# Altium PCB choco_keyboard_right.PcbDoc (part 1 of 2) (continued)
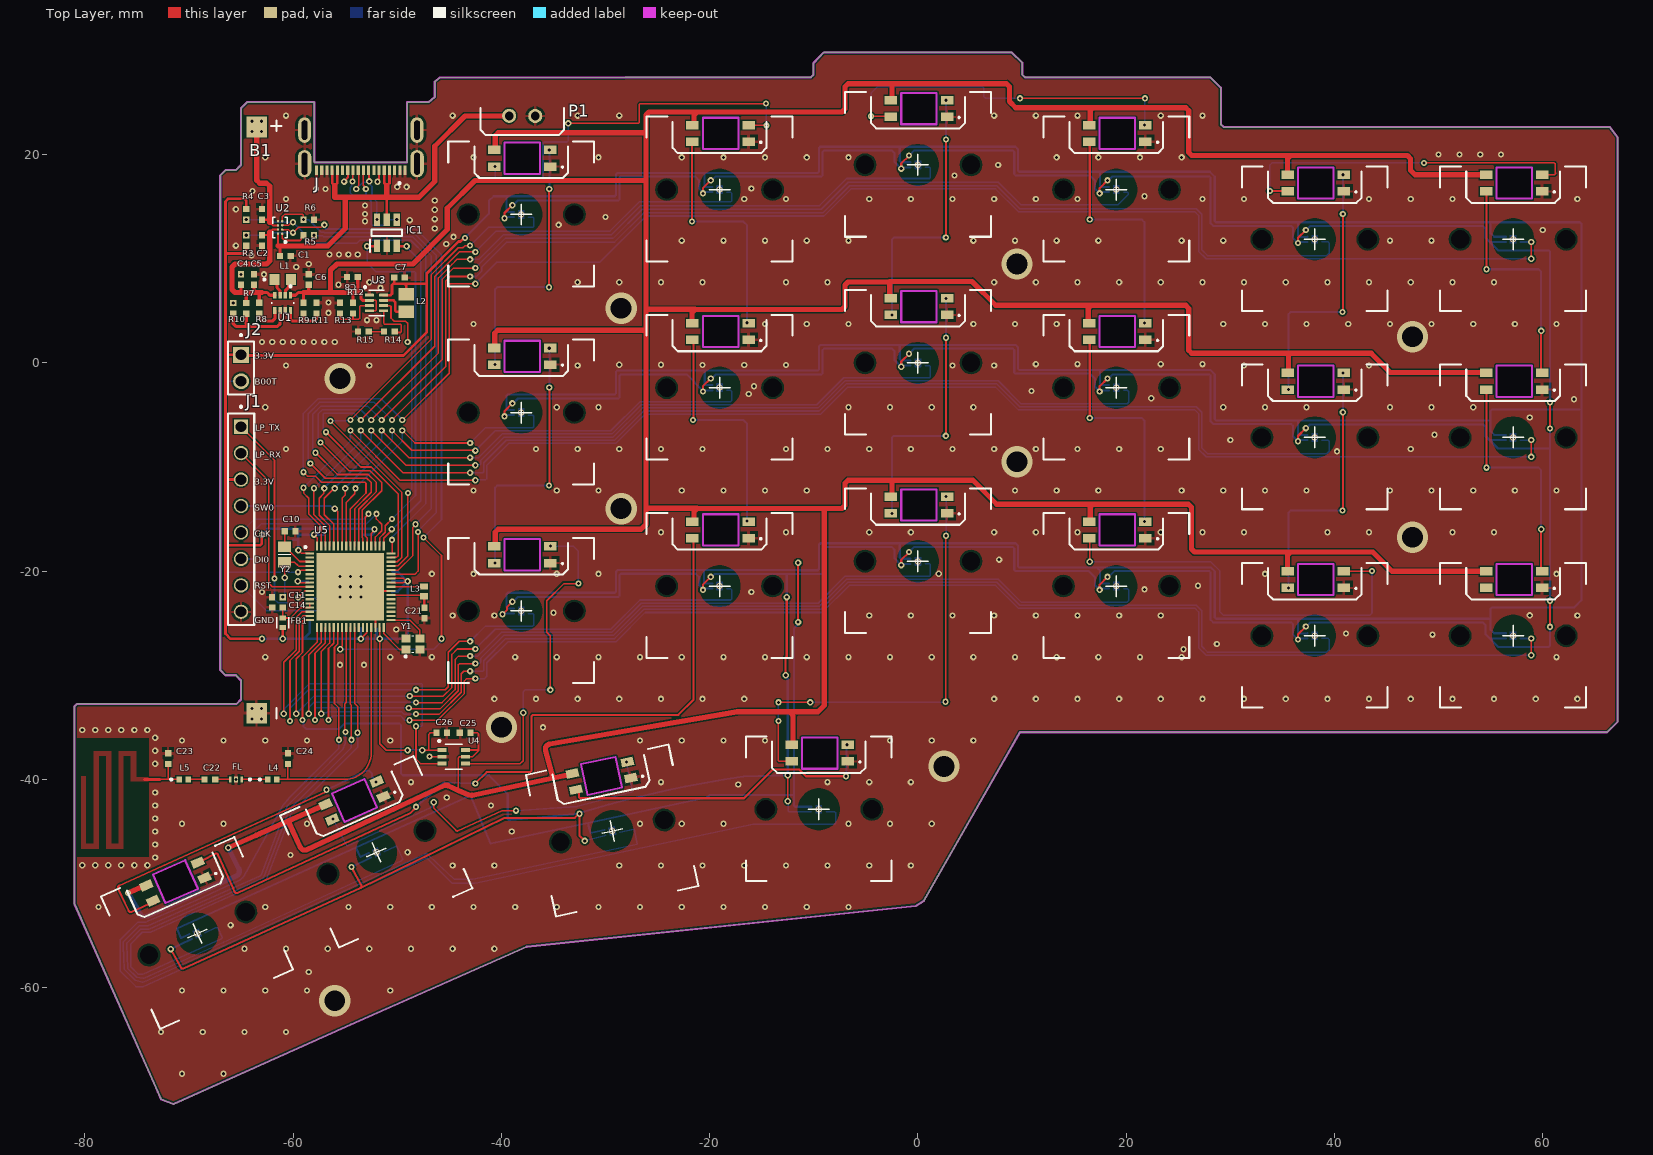
[diagram p0: Top Layer view]
## Footprints (in the part's own frame and the unit in brackets; to place one, negate y for a bottom-side part, rotate by r counter-clockwise, add the part's x,y. Pads: shape width x height; smd on the part's side, far side on the other; paste and mask are expansions set on the pad) (continued)
SWITCH [mm]
  rect 1.2x0.82 smd: 1(-2.8,-4.6) 2(-2.8,-6.2) 3(2.6,-6.2) 4(2.6,-4.6)
  round 1.524 hole 1.75 unplated: 5(-5.1,0) 5(5.08,0)
  Top Layer pour cut-out: 0,2 0.765,1.848 1.414,1.414 1.848,0.765 2,0 2,0 1.848,-0.765 1.414,-1.414 0.765,-1.848 0,-2 0,-2 -0.765,-1.848 -1.414,-1.414 -1.848,-0.765 -2,0 -2,0 -1.848,0.765 -1.414,1.414 -0.765,1.848 0,2
  Keep-Out Layer board cut-out: 1.6,-3.9 1.6,-6.9 -1.8,-6.9 -1.8,-3.9
  Keep-Out Layer lines w0.2: 1.6,-3.9 1.6,-6.9 -1.8,-6.9 -1.8,-3.9 1.6,-3.9
  silkscreen extent -7,-7 7,6.9, body extent -7.55,-8.05 7.55,8.05, height 15.27
TXU0101DCKR [mil]
  rect 33.5x14 smd paste+0 mask+0: 1(-44.25,25.59) 2(-44.25,0) 3(-44.25,-25.59) 4(44.25,-25.59) 5(44.25,0) 6(44.25,25.59)
  silkscreen extent -59,-48 32,64, body extent -47,-43 47,43, height 43

## Part data
B1: "li-ion 14500 battery holder", BOM_Group="Power Connectors"
C1 C3: library part Cap_1uF_0402, Package="0402 Murata", BOM_Group="Battery managment", Check_prices=https://www.snapeda.com/parts/GRM022R60J222KE19L/Murata/view-part/?ref=eda, MF=Murata, MP=GRM022R60J222KE19L, SnapEDA_Link=https://www.snapeda.com/parts/GRM022R60J222KE19L/Murata/view-part/?ref=snap
C2 C7: library part Cap_10uF_0402, Package="0402 Murata", MF=Murata, MP=GRM022R60J222KE19L, SnapEDA_Link=https://www.snapeda.com/parts/GRM022R60J222KE19L/Murata/view-part/?ref=snap
  C2: BOM_Group="Battery managment", Check_prices=https://www.snapeda.com/parts/GRM022R60J222KE19L/Murata/view-part/?ref=eda
  C7: BOM_Group="Buck 3.3V Converter"
C4 C5 C6: library part Cap_22uF_0402, Package="0402 Murata", BOM_Group="Buck/Boost Converter to 5V", Check_prices=https://www.snapeda.com/parts/GRM022R60J222KE19L/Murata/view-part/?ref=eda, MF=Murata, MP=GRM022R60J222KE19L, SnapEDA_Link=https://www.snapeda.com/parts/GRM022R60J222KE19L/Murata/view-part/?ref=snap
C8 C19 C21: library part Cap_4.7uF_0402, Package="0402 Murata", MF=Murata, MP=GRM022R60J222KE19L, SnapEDA_Link=https://www.snapeda.com/parts/GRM022R60J222KE19L/Murata/view-part/?ref=snap
  C8: BOM_Group="Buck 3.3V Converter"
  C19 C21: BOM_Group="MCU & Payload", Check_prices=https://www.snapeda.com/parts/GRM022R60J222KE19L/Murata/view-part/?ref=eda
C9 C12 C13 C14 C15 C16 C17 C20 C25 C26: library part Cap_100nF_0402, Package="0402 Murata", BOM_Group="MCU & Payload", Check_prices=https://www.snapeda.com/parts/GRM022R60J222KE19L/Murata/view-part/?ref=eda, MF=Murata, MP=GRM022R60J222KE19L, SnapEDA_Link=https://www.snapeda.com/parts/GRM022R60J222KE19L/Murata/view-part/?ref=snap
C10 C11: library part Cap_10pF_0402, Package="0402 Murata", BOM_Group="MCU & Payload", Check_prices=https://www.snapeda.com/parts/GRM022R60J222KE19L/Murata/view-part/?ref=eda, MF=Murata, MP=GRM022R60J222KE19L, SnapEDA_Link=https://www.snapeda.com/parts/GRM022R60J222KE19L/Murata/view-part/?ref=snap
C18: library part Cap_100pF_0402, Package="0402 Murata", BOM_Group="MCU & Payload", Check_prices=https://www.snapeda.com/parts/GRM022R60J222KE19L/Murata/view-part/?ref=eda, MF=Murata, MP=GRM022R60J222KE19L, SnapEDA_Link=https://www.snapeda.com/parts/GRM022R60J222KE19L/Murata/view-part/?ref=snap
C22: library part Cap_10nF_0402, Package="0402 Murata", BOM_Group=Antena, Check_prices=https://www.snapeda.com/parts/GRM022R60J222KE19L/Murata/view-part/?ref=eda, MF=Murata, MP=GRM022R60J222KE19L, SnapEDA_Link=https://www.snapeda.com/parts/GRM022R60J222KE19L/Murata/view-part/?ref=snap
C23: library part Cap_1.2pF_0402, Package="0402 Murata", BOM_Group=Antena, Check_prices=https://www.snapeda.com/parts/GRM022R60J222KE19L/Murata/view-part/?ref=eda, MF=Murata, MP=GRM022R60J222KE19L, SnapEDA_Link=https://www.snapeda.com/parts/GRM022R60J222KE19L/Murata/view-part/?ref=snap
C24: library part Cap_0.8pF_0402, Package="0402 Murata", BOM_Group=Antena, Check_prices=https://www.snapeda.com/parts/GRM022R60J222KE19L/Murata/view-part/?ref=eda, MF=Murata, MP=GRM022R60J222KE19L, SnapEDA_Link=https://www.snapeda.com/parts/GRM022R60J222KE19L/Murata/view-part/?ref=snap
D1: library part BAT54KFILM, "BAT54KFILM, Schottky Diode,  0.3A max, 40V 5ns, 2-Pin, SOD-523", Manufacturer_Name=STMicroelectronics, Mouser Part Number=511-BAT54KFILM, BOM_Group="MCU & Payload", Datasheet Link=http://www.st.com/web/en/resource/technical/document/datasheet/CD00001322.pdf, Geometry.Height=0.7mm, Manufacturer_Part_Number=BAT54KFILM, Mouser Price/Stock=https://www.mouser.co.uk/ProductDetail/STMicroelectronics/BAT54KFILM?qs=jZi1jxfVU95Y9ce6l3OT%252BA%3D%3D
FB1: library part MMZ1005S121CTD25, "Ferrite Bead", Package=None, BOM_Group="MCU & Payload", Check_prices=https://www.snapeda.com/parts/FCM1608KF-601T05/Tai+Tech/view-part/?ref=eda, MF="Tai Tech", MP=FCM1608KF-601T05, SnapEDA_Link=https://www.snapeda.com/parts/FCM1608KF-601T05/Tai+Tech/view-part/?ref=snap
FL: "RF Filter Band Pass 2450MHz 2400MHz to 2500MHz 2.8dB 50Ohm SMD 6Pin 0603", Package="0603 Murata Electronics", Availability=Unavailable, BOM_Group=Antena, MF=Murata, MP=LFB182G45CGFD436, Price=None, SnapEDA_Link=https://www.snapeda.com/parts/LFB182G45CGFD436/Murata/view-part/2721840/?ref=snap
H1 H2 H3 H4 H5 H6 H7 H8 H9 H10 H11 H12 H13 H14 H15 H16 H17 H18 H19 H20 H21 H22: "Low-power linear Hall-effect sensor with enable pin in ultrasmall X2SON package", Package="XFDFN-4 Texas Instruments", BOM_Group="HALL Switches", Check_prices=https://www.snapeda.com/parts/TMAG5253BA3IQDMRR/Texas+Instruments/view-part/?ref=eda, MF="Texas Instruments", MP=TMAG5253BA3IQDMRR, SnapEDA_Link=https://www.snapeda.com/parts/TMAG5253BA3IQDMRR/Texas+Instruments/view-part/?ref=snap
IC1: "Integrated Circuit", Manufacturer_Name=STMicroelectronics, Mouser Part Number=511-USBLC6-2SC6, Arrow Part Number=USBLC6-2SC6, Arrow Price/Stock=https://www.arrow.com/en/products/usblc6-2sc6/stmicroelectronics?utm_currency=USD&region=europe, BOM_Group=Type-c, Datasheet Link=http://www.st.com/st-web-ui/static/active/en/resource/technical/document/datasheet/CD00050750.pdf, Height=1.45mm, Manufacturer_Part_Number=USBLC6-2SC6, Mouser Price/Stock=https://www.mouser.co.uk/ProductDetail/STMicroelectronics/USBLC6-2SC6?qs=po45yt2pPpu%2FhNIlwQdTlg%3D%3D
J: "USB-C _USB TYPE-C_ USB 3.1 _USB 3.1 Gen 2, Superspeed+_ Receptacle Connector 24 _16+8 Dummy_ Position Board Edge, Cutout; Surface Mount; Through Hole, Right Angle", Package=None, Availability=Unavailable, BOM_Group=Type-c, MF="Hirose Electric Co Ltd", MP=CX90M-16P, Price=None, SnapEDA_Link=https://www.snapeda.com/parts/CX90M-16P/Hirose%20Electric%20Co%20Ltd/view-part/3218310/?ref=snap
J1: "Connector Header Through Hole 8 position 0.100 (2.54mm)", Package=None, BOM_Group="MCU & Payload", Check_prices=https://www.snapeda.com/parts/TSW-108-23-L-S/Samtec/view-part/?ref=eda, MF=Samtec, MP=TSW-108-23-L-S, SnapEDA_Link=https://www.snapeda.com/parts/TSW-108-23-L-S/Samtec/view-part/?ref=snap
J2: "HEADER, 2 CONTACTS, 1 ROW, THROUGH HOLE, 2.54 MM; Connector Systems:Board-to-Board; Pitch Spacing:2.54mm; No. of Rows:1Rows; No. of Contacts:2Contacts; Contact Termination Type:Through Hole; Product Range:HTSW Series; Gender:Header RoHS Compliant: Yes", Package=None, Availability="In Stock", BOM_Group="MCU & Payload", Check_prices=https://www.snapeda.com/parts/HTSW10207TMS/Samtec/view-part/?ref=eda, MF=Samtec, MP=HTSW10207TMS, Price=None, Purchase-URL=https://pricing.snapeda.com/search/part/HTSW10207TMS/?ref=eda, SnapEDA_Link=https://www.snapeda.com/parts/HTSW10207TMS/Samtec/view-part/?ref=snap
L1: library part DFE18SAN1R0MG0L, "DFE18SAN1R0MG0L", Package=None, Availability=Unavailable, BOM_Group="Buck/Boost Converter to 5V", MP=DFE18SAN1R0MG0L, Price=None
L2: library part MLP2012S2R2MT0S1, "2.2 ÂµH Shielded Multilayer Inductor 800 mA 299mOhm Max 0805 (2012 Metric)", Package="2012 TDK", BOM_Group="Buck 3.3V Converter", MF=TDK, MP=MLP2012S2R2MT0S1, SnapEDA_Link=https://www.snapeda.com/parts/MLP2012S2R2MT0S1/TDK/view-part/?ref=snap
L3: library part LQW15DN100M00D, "Inductor with Inductance: 10uH Tol. +/-20%, Package: 0402 (1005)", Package="1106 Murata", Availability=Good, BOM_Group="MCU & Payload", Check_prices=https://www.snapeda.com/parts/LQW15DN100M00D/Murata%20Electronics%20North%20America/view-part/3223358/?ref=eda, MF="Murata Electronics North America", MP=LQW15DN100M00D, Price=None, Purchase-URL=https://pricing.snapeda.com/search/part/LQW15DN100M00D/?ref=eda, SnapEDA_Link=https://www.snapeda.com/parts/LQW15DN100M00D/Murata%20Electronics%20North%20America/view-part/3223358/?ref=snap
L4 L5: library part LQG15HS3N6S02D, "Inductor with Inductance: 3.6nH Tol. +/-0.3nH, Package: 0402 _1005_", Package="1005 Murata", Availability=Unavailable, BOM_Group=Antena, MF=Murata, MP=LQG15HS3N6S02D, Price=None, SnapEDA_Link=https://www.snapeda.com/parts/LQG15HS3N6S02D/Murata%20Electronics%20North%20America/view-part/1501786/?ref=snap
R1 R2 R3 R4: library part Res_5.1kR_0402, Package=0402, Resistans=1kR
  R1 R2: BOM_Group=Type-c
  R3 R4: BOM_Group="Battery managment"
R5 R6: library part Res_10kR_0402, Package=0402, Resistans=1kR, BOM_Group="Battery managment"
R7 R8 R10 R12 R13: library part Res_100kR_0402_1, Package=0402, Resistans=1kR
  R7 R8 R10: BOM_Group="Buck/Boost Converter to 5V"
  R12 R13: BOM_Group="Buck 3.3V Converter"
R9: library part Res_806kR_0402_1, Package=0402, Resistans=1kR, BOM_Group="Buck/Boost Converter to 5V"
R11: library part Res_91kR_0402, Package=0402, Resistans=1kR, BOM_Group="Buck/Boost Converter to 5V"
R14: library part Res_240kR_0402, Package=0402, Resistans=1kR, BOM_Group="Buck 3.3V Converter"
R15: library part Res_27kR_0402, Package=0402, Resistans=1kR, BOM_Group="Buck 3.3V Converter"
R16 R17: library part Res_1kR_0402, Package=0402, BOM_Group="MCU & Payload", Resistans=1kR
SW1 SW2 SW3 SW4 SW5 SW6 SW7 SW8 SW9 SW10 SW11 SW12 SW13 SW14 SW15 SW16 SW17 SW18 SW19 SW20 SW21 SW22: "Gateron Magnetic Jade Switch", BOM_Group=ARGB
U1: "1.5-A output current, high-power-density buck-boost converter", Package="SOT-583 Texas Instruments", BOM_Group="Buck/Boost Converter to 5V", Check_prices=https://www.snapeda.com/parts/TPS631000DRLR/Texas+Instruments/view-part/?ref=eda, MF="Texas Instruments", MP=TPS631000DRLR, SnapEDA_Link=https://www.snapeda.com/parts/TPS631000DRLR/Texas+Instruments/view-part/?ref=snap
U2: "Battery Managment IC", BOM_Group="Battery managment"
U3: "None <a href=\"https://snapeda.com/parts/TPS62840DLCR/Texas%20Instruments/view-part/?ref=eda\">Check prices</a>", Package=None, Availability=Unavailable, BOM_Group="Buck 3.3V Converter", MP=TPS62840DLCR, Price=None
Y1: library part NX2016SA-32MHZ, "Crystal or Oscillator", Manufacturer_Name=NDK, Manufacturer_Part_Number=NX2016SA-26MHZ-EXS00A-CS06025, Mouser Part Number=344-NX2016SA26S06025, BOM_Group="MCU & Payload", Datasheet Link=https://datasheet.datasheetarchive.com/originals/distributors/Datasheets_SAMA/8da4d094c01ffba0c34ffc4b8a2d69e9.pdf, Mouser Price/Stock=https://www.mouser.co.uk/ProductDetail/NDK/NX2016SA-26MHZ-EXS00A-CS06025?qs=w%2Fv1CP2dgqrdkfe8%2Fku9TQ%3D%3D
Y2: library part NX2012SA-32.768K, "Crystal or Oscillator", Manufacturer_Name=NDK, Manufacturer_Part_Number=NX2012SA-32.768K-STD-MUB-1, Mouser Part Number=344-NX2012SA32768K1, BOM_Group="MCU & Payload", Datasheet Link=https://www.mouser.de/datasheet/2/905/c_NX2012SA-STD-MUB-1_e-1317508.pdf, Height=0.6mm, Mouser Price/Stock=https://www.mouser.co.uk/ProductDetail/NDK/NX2012SA-32.768K-STD-MUB-1?qs=55YtniHzbhA%252B6%2Fl1MwFZaQ%3D%3D
P1: BOM_Group="Power Connectors"
U5: BOM_Group="MCU & Payload"

## Via types
v1: diameter 0.6, hole 0.3, Top Layer to Bottom Layer, tented both sides, 647 vias
v2: diameter 3, hole 2, Top Layer to Bottom Layer, 10 vias

## Nets (pads, with @x,y where several pads share a name; then routed paths per layer and width w, separated by ;. In a path a pad name is that pad's centre, name@x,y a point inside that pad or via, vN(x,y) a via of type N, cw(c..) or ccw(c..) an arc to the next point about the centre after c; other vN are vias at no path point)
3.3V: C7.2 C12.2 C13.2 C15.2 C16.2 C17.2 C18.2 C19.2 C20.2 C26.1 FB1.1 H1.1 H2.1 H3.1 H4.1 H5.1 H6.1 H7.1 H8.1 H9.1 H10.1 H11.1 H12.1 H13.1 H14.1 H15.1 H16.1 H17.1 H18.1 H19.1 H20.1 H21.1 H22.1 J1.03 J2.01 L2.2 R3.2 R4.2 R16.2 U3.8 U4.1 U5.1 U5.30 U5.33 U5.44 U5.45 U5.55 U5.68 | length 697.1
  Top Layer w0.15: v1(-59.5,-18) -59.2,-18.3 U5.1@-58.4,-18.3 ; v1(-58,-16.5) -57.7,-16.8 U5.68@-57.7,-17.6 ; v1(-53.5,-26.5) -52.925,-25.925 -52.925,-25.425 U5.30@-52.9,-25.4 ; U5.55@-52.5,-17.6 -52.5,-16.385 v1@-52.215,-16.101 ; U5.33@-51.7,-25.4 -51.7,-26.476 v1(-51.676,-26.5) -51.676,-36.574 -51.05,-37.2 v1(-49,-37.2) ; U5.44@-50.6,-21.1 -49.404,-21.1 -49.365,-21.061 -49.086,-21.061 v1@-49.013,-20.987 ; U5.45@-50.6,-20.7 -49.397,-20.7 -49.122,-20.975 v1(-49,-20.975) ; v1(-47.6,-37.2) -47.59,-37.19 -46.983,-37.19 ; C26.1@-46.241,-35.532 -46.832,-35.532 -46.983,-35.683 -46.983,-37.19 ; U4.1@-45.699,-37.18 -45.709,-37.19 -46.983,-37.19
  Top Layer w0.2: v1(-11.5,-24.9) v1(-11.5,-19.2)
  Top Layer w0.254: -66.378,-11.2 J1.03@-65,-11.2 ; J2.01@-65,0.7 -49.413,0.7 -47.152,2.961 -47.152,7.6 ; J2.01@-65,0.77 -66.5,0.77 ; R3.2@-64.5,11.238 -64.5,10.649 -64.649,10.5 -66.5,10.5 ; R4.2@-64.5,15 -64.5,15.601 -64.649,15.75 -66.25,15.75 -66.5,15.5 -66.5,10.5 ; v1(-63,-26.5) -66,-26.5 -66.5,-26 -66.5,-17.5 ; v1(-63,-16.5) -63,-17.351 -63.149,-17.5 -66.5,-17.5 ; v1(-61,-26.5) FB1.1@-61,-25.41 ; U3.8@-51.315,6.5 -50.649,6.5 -50.5,6.649 -50.5,7.451 -50.351,7.6 -50.3,7.6 ; C7.2@-50.3,8.2 -50.3,7.6 ; L2.2@-49.15,6.61 -49.15,7.451 -49.299,7.6 ; v1(-43.5,12) -43.594,12 -43.94,11.654 -44.102,11.654 -47.152,8.604 -47.152,7.6 ; -66.5,-17.5 -66.5,0.77 ; -66.5,0.77 -66.5,10.5 ; -50.3,7.6 -49.299,7.6 ; -49.299,7.6 -47.152,7.6
  Bottom Layer w0.15: v1(-49,-37.2) -48.975,-37.175 -47.625,-37.175 v1(-47.6,-37.2)
  Bottom Layer w0.2: H4.1@-69.941,-54.856 -70.75,-55.25 -70.953,-54.793 -71.157,-54.336 -53.957,-46.536 ; H5.1@-52.741,-47.056 -53.55,-47.45 -53.753,-46.993 -53.957,-46.536 ; v1(-43.5,12) -41.2,14.3 -41.2,15.55 -40.75,16 -39.383,16 ; -41.027,-46.143 -42.975,-41.556 -53.957,-46.536 ; -41.019,-46.161 -31.668,-44.174 -20.276,-41.753 -20.236,-41.716 -20.057,-41.552 -20,-41.5 -11.9,-41.5 ; H3.1@-38.8,-23.576 -39.383,-23.576 -39.5,-23.459 -39.5,-22.192 -39.383,-22.075 -29.117,-22.075 -29,-21.958 -29,-20.08 -28.809,-19.89 -20.543,-19.89 -11.5,-19.89 ; H2.1@-38.8,-4.526 -39.383,-4.526 -39.5,-4.409 -39.5,-3.142 -39.383,-3.025 -29.117,-3.025 -29,-2.908 -29,-0.867 -28.883,-0.75 -9.617,-0.75 ; H1.1@-38.8,14.499 -39.383,14.499 -39.5,14.616 -39.5,15.883 -39.383,16 ; -31.664,-44.193 -31.564,-44.663 -31.46,-45.152 H6.1@-30.091,-44.861 ; -20.563,-19.917 -20.563,-21.071 -20.446,-21.188 H10.1@-19.75,-21.188 ; -20.47,-0.77 -20.47,-2.021 -20.353,-2.138 H9.1@-19.75,-2.138 ; H8.1@-19.75,16.887 -20.383,16.887 -20.5,17.004 -20.5,18.229 ; v1(-11.5,-24.9) -11.577,-24.977 -11.577,-25.177 -11.9,-25.5 -11.9,-41.5 ; v1(-11.5,-19.2) -11.5,-19.89 ; H7.1@-10.225,-42.625 -11.783,-42.625 -11.9,-42.508 -11.9,-41.5 ; -9.603,-0.736 -9.5,-0.633 -9.5,1.608 -9.383,1.725 -1.75,1.725 ; H13.1@-0.7,-18.813 -1.633,-18.813 -1.75,-18.696 -1.75,-17.325 ; H12.1@-0.7,0.237 -1.633,0.237 -1.75,0.354 -1.75,1.725 ; H11.1@-0.7,19.262 -1.633,19.262 -1.75,19.379 -1.75,20.75 ; H16.1@18.35,-21.188 17.617,-21.188 17.5,-21.071 17.5,-19.963 17.187,-19.65 ; H15.1@18.35,-2.138 17.614,-2.138 17.496,-2.021 17.496,-0.75 17.421,-0.675 ; H14.1@18.35,16.887 17.617,16.887 17.5,17.004 17.5,18.35 ; H19.1@37.4,-25.963 37.39,-25.973 36.617,-25.973 36.5,-25.856 36.5,-24.692 36.617,-24.575 ; H18.1@37.4,-6.913 37.39,-6.923 36.617,-6.923 36.5,-6.806 36.5,-5.642 36.617,-5.525 ; H17.1@37.4,12.112 37.39,12.102 36.617,12.102 36.5,12.219 36.5,13.383 36.617,13.5 ; 55,-24.575 54.958,-24.575 ; 55,-24.5 55,-23.617 55.117,-23.5 63,-23.5 63.7,-22.8 63.7,-4.5 ; 55,-5.5 55,-4.617 55.117,-4.5 63.7,-4.5 ; H22.1@56.45,-25.963 55.329,-25.963 55,-25.634 55,-24.617 54.958,-24.575 ; H21.1@56.45,-6.913 55.329,-6.913 55,-6.584 55,-5.525 36.617,-5.525 ; H20.1@56.45,12.112 55.329,12.112 55,12.441 55,13.383 54.883,13.5 ; -39.383,16 -29.117,16 -29,16.117 -29,18.112 -28.862,18.25 -20.521,18.25 -20.5,18.229 ; -20.5,18.229 -20.479,18.25 -9.617,18.25 -9.5,18.367 -9.5,20.633 -9.383,20.75 -1.75,20.75 ; -11.5,-19.89 -11.473,-19.916 -9.617,-19.916 -9.5,-19.799 -9.5,-17.442 -9.383,-17.325 -1.75,-17.325 ; -1.75,-17.325 9.383,-17.325 9.6,-17.542 9.6,-19.533 9.717,-19.65 17.187,-19.65 ; -1.75,1.725 9.383,1.725 9.6,1.508 9.6,-0.558 9.717,-0.675 17.421,-0.675 ; -1.75,20.75 9.383,20.75 9.6,20.533 9.6,18.467 9.717,18.35 17.5,18.35 ; 17.187,-19.65 28.128,-19.65 28.5,-20.022 28.5,-24.458 28.617,-24.575 36.617,-24.575 ; 17.421,-0.675 28.053,-0.675 28.5,-1.122 28.5,-5.408 28.617,-5.525 36.617,-5.525 ; 17.5,18.35 28.033,18.35 28.5,17.883 28.5,13.617 28.617,13.5 36.617,13.5 ; 36.617,-24.575 54.958,-24.575 ; 36.617,13.5 54.883,13.5 ; 54.883,13.5 63.583,13.5 63.7,13.383 63.7,-4.5
  Bottom Layer w0.254: J2.01@-65.1,0.8 J2.01@-65,0.7 ; v1(-63,-26.5) v1(-61,-26.5) -59,-26.5 ; v1(-63,-16.5) -62.423,-15.923 -59.351,-15.923 ; C12.2@-59.988,-17 -59.5,-17 ; v1(-59.5,-18) -59.5,-17 ; -59.499,-16.426 -59.499,-16.072 -59.351,-15.923 ; R16.2@-58.4,-24.812 -58.4,-25.9 -59,-26.5 ; v1@-58.004,-16.496 -59.5,-16.496 -59.5,-17 ; v1(-58,-16.5) C17.2@-57.012,-16.5 ; C15.2@-53.5,-25.512 v1(-53.5,-26.5) ; C13.2@-53.238,-16.5 -52.418,-16.5 -52.257,-16.339 -52.257,-16.048 v1@-52.215,-16.007 ; v1(-52.191,-15.975) -52.243,-15.923 -59.351,-15.923 ; C18.2@-52,-25.512 -52,-26.5 ; C20.2@-50.488,-22 -50.444,-21.956 -49.956,-21.956 v1@-49,-21 ; C19.2@-50.488,-21 v1@-49,-21 ; C16.2@-50.488,-20 -50.444,-20.044 -49.956,-20.044 -49.025,-20.975 v1(-49,-20.975) ; -59,-26.5 v1(-53.5,-26.5) ; v1(-53.5,-26.5) -52,-26.5 ; -52,-26.5 v1(-51.676,-26.5) -49.5,-26.5 -49,-26 v1@-49,-21
5V: C6.1 C8.2 C25.2 R9.1 R12.1 SW1.3 SW2.3 SW3.3 SW4.3 SW5.3 SW6.3 SW7.3 SW8.3 SW9.3 SW10.3 SW11.3 SW12.3 SW13.3 SW14.3 SW15.3 SW16.3 SW17.3 SW18.3 SW19.3 SW20.3 SW21.3 SW22.3 U1.1 U3.2 U3.4 U4.5 U4.6 | length 549.5
  Top Layer w0.15: U3.2@-52.7,6 U3.2@-52.685,6 -52.088,6 -52,5.912 -52,5.1 -52.1,5 U3.4@-52.685,5 ; -44.128,-41.057 -44.128,-37.917 -44.04,-37.83 -42.772,-37.83 -42.2,-37.258 ; U4.6@-43.451,-37.18 -42.278,-37.18 -42.2,-37.258 ; C25.2@-42.967,-35.532 -42.288,-35.532 -42.2,-35.62 -42.2,-37.258
  Top Layer w0.3: U1.1@-60.25,6.485 -59.765,6.485 -59.5,6.75 -59,6.75 R9.1@-59,5.774 ; -58.5,6.75 C6.1@-58.5,7.488 ; R12.1@-54.25,5.762 -54.25,6.75 ; -53.8,6.8 C8.2@-53.8,8.25 ; -53.5,6.75 -53.5,6.176 -53.324,6 U3.2@-52.7,6
  Top Layer w0.5: v1(-75.853,-50.922) -74.436,-50.291 -74.1,-50.183 -74.005,-50.153 SW7.3@-74.063,-50.21 ; v1@-66.3,-46.6 v1(-66.23,-46.569) -63.532,-45.368 -63.483,-45.346 -63.213,-45.226 ; -63.164,-45.204 -60.464,-44.002 -57.209,-42.553 SW8.3@-56.906,-42.418 ; -60.443,-44.047 -59.309,-46.497 -59.271,-46.578 -59.062,-46.787 -58.744,-46.787 -45.422,-40.57 -45.203,-40.57 -45.105,-40.615 -44.128,-41.057 -43.151,-41.499 ; -59,6.75 -58.5,6.75 -56.4,6.75 ; -53.5,6.75 -54.25,6.75 -56.4,6.75 ; -43.15,-41.5 -42.841,-41.533 -35.036,-39.874 ; SW2.3@-40.64,1.425 -40.64,2.844 -40.347,3.137 -26.119,3.137 ; SW1.3@-40.6,-17.613 -40.6,-16.268 -40.307,-15.975 -26.582,-15.975 -26.119,-15.512 -26.119,-13.949 ; SW3.3@-40.6,20.449 -40.6,21.807 -40.307,22.1 -26.119,22.1 ; SW9.3@-33.088,-39.415 -33.183,-39.445 -33.519,-39.552 -35.036,-39.874 ; -26.25,17.5 -42.537,17.5 -45.2,14.837 -45.2,12.8 -48.5,9.5 -55.8,9.5 -56.4,8.9 -56.4,6.75 ; SW5.3@-21.55,3.812 -21.7,3.962 -21.7,4.831 -21.407,5.124 -7.293,5.124 -7,5.417 -7,7.482 -6.707,7.775 -2.7,7.775 ; SW6.3@-21.5,-15.175 -21.5,-14.268 -21.207,-13.975 -8.992,-13.975 ; SW4.3@-21.5,22.9 -21.5,23.807 -21.207,24.1 ; -21.407,5.137 -25.967,5.137 -26.119,5.29 ; -21.207,-13.962 -26.106,-13.962 -26.119,-13.949 ; SW10.3@-12.025,-36.675 -12.004,-36.515 -12.004,-33.999 ccw(c-12.504,-34) -12.502,-33.5 -12.504,-33.5 ; SW11.3@-2.5,-12.85 -2.5,-11.275 ; SW12.3@-2.5,6.2 -2.54,6.2 -2.7,6.36 -2.7,7.775 ; SW13.3@-2.5,25.212 -2.5,26.8 ; SW16.3@16.55,-15.238 16.55,-13.868 16.843,-13.575 ; SW15.3@16.55,3.812 16.51,3.812 16.35,3.972 16.35,5.231 16.643,5.524 ; SW14.3@16.55,22.837 16.55,24.207 16.843,24.5 ; SW17.3@35.5,-20.175 SW17.3@35.5,-20.013 35.5,-18.468 35.793,-18.175 ; SW19.3@35.5,17.9 SW19.3@35.5,18.062 35.5,19.607 35.793,19.9 ; SW18.3@35.593,-0.963 35.593,0.924 ; SW22.3@54.65,-20.013 SW22.3@54.55,-20.013 45.513,-20.013 43.675,-18.175 35.793,-18.175 ; SW21.3@54.65,-0.963 54.601,-0.914 45.359,-0.914 43.521,0.924 35.593,0.924 ; SW20.3@54.65,18.062 SW20.3@54.55,18.062 47.738,18.062 47.3,18.5 47.3,19.6 47,19.9 35.793,19.9 ; -35.036,-39.874 -35.755,-37.231 -35.756,-37.229 cw(c-35.273,-37.099) -35.358,-36.607 -17.342,-33.507 cw(c-17.257,-34) -17.257,-33.5 -12.504,-33.5 ; -26.119,-13.949 -26.119,3.137 ; -26.119,3.137 -26.119,5.29 ; -26.119,5.29 -26.119,22.1 ; -26.119,22.1 -26.119,23.807 -25.826,24.1 -21.207,24.1 ; -21.207,24.1 -7.293,24.1 -7,24.393 -7,26.507 -6.707,26.8 -2.5,26.8 ; -12.504,-33.5 -9.6,-33.5 -8.992,-32.892 -8.992,-13.975 ; -8.992,-13.975 -7.293,-13.975 -7,-13.682 -7,-11.568 -6.707,-11.275 -2.5,-11.275 ; -2.7,7.775 -2.7,7.824 5.176,7.824 7.476,5.524 16.643,5.524 ; -2.5,-11.275 5.275,-11.275 7.575,-13.575 16.843,-13.575 ; -2.5,26.8 8.507,26.8 8.8,26.507 8.8,25.1 9.4,24.5 16.843,24.5 ; 16.643,5.524 25.707,5.524 26,5.231 26,1.217 26.293,0.924 35.593,0.924 ; 16.843,-13.575 25.987,-13.575 26.28,-13.868 26.28,-17.882 26.573,-18.175 35.793,-18.175 ; 16.843,24.5 25.707,24.5 26,24.207 26,20.193 26.293,19.9 35.793,19.9
  Bottom Layer w0.5: v1(-75.853,-50.922) -74.536,-53.167 ; -74.535,-53.167 -74.023,-53.12 ccw(c-74.067,-52.622) -73.861,-53.078 -68.977,-50.869 ; -68.976,-50.869 -65.449,-49.266 ccw(c-65.656,-48.811) -65.21,-48.586 ; v1(-66.23,-46.569) -65.21,-48.585
5V_USB: C1.2 IC1.5 J.A4 J.A9 J.B4 J.B9 P1.1 U2.A2 | length 44.9
  Top Layer w0.15: -61.45,11.25 U2.A2@-61.45,12.4
  Top Layer w0.254: C1.2@-61.262,10.25 -61.262,11.138 ; J.A9@-56.25,18.5 -56.25,17.25 -56,17 -55.75,17.25 J.B4@-55.75,18.5 ; J.B9@-51.25,18.5 -51.25,17.25 -51,17 -50.75,17.25 J.A4@-50.75,18.5 ; IC1.5@-51,13.75 -51,15.9
  Top Layer w0.5: -61.45,11.25 -61.425,11.225 -56.675,11.225 -55,12.9 -55,15.9 ; -56,17 -56,15.9 -55,15.9 ; -51,17 -51,15.9 ; P1.1@-39.25,23.717 -43.483,23.717 -46.4,20.8 -46.4,17.4 -47.9,15.9 -51,15.9 ; -55,15.9 -51,15.9
ANT: C23.1 L5.2 | length 5
  Top Layer w0.15: -73,-40 L5.2@-70.932,-40 ; -72,-40 C23.1@-72,-38.512
  Top Layer w0.3: -74.25,-40 -72.8,-40
ARGB: U4.3 U5.15 | length 36.5
  Top Layer w0.15: v1(-60.9,-33.7) -60.9,-28.763 -59.7,-27.563 -59.7,-24.45 -59.15,-23.9 U5.15@-58.4,-23.9 ; v1(-48.2,-34.9) -48.2,-38.05 -47.771,-38.479 U4.3@-45.699,-38.479
  Bottom Layer w0.15: v1(-60.9,-33.7) -60.814,-33.614 -60.814,-33.187 -58.427,-30.8 -47.688,-30.8 -47.6,-30.888 -47.6,-34.812 -47.688,-34.9 v1(-48.2,-34.9)
ARGB_SHIFTED: SW1.2 U4.4 | length 33.4
  Top Layer w0.15: U4.4@-43.451,-38.479 -38.179,-38.479 -37.9,-38.2 v1(-37.9,-33.6) ; v1(-35.3,-31.4) -35.3,-26.213 -35.638,-25.875 -35.638,-22.838 -34,-21.2 v1(-32.6,-21.2)
  Bottom Layer w0.15: v1(-37.9,-33.6) -37.9,-31.6 -37.7,-31.4 v1(-35.3,-31.4) ; v1(-35.3,-17.6) -33.1,-17.6 -32.6,-18.1 v1(-32.6,-21.2)
BAT_INT: R5.2 U5.47 | length 44.3
  Top Layer w0.15: U5.47@-50.6,-19.9 -49.9,-19.9 -48.5,-18.5 -48.5,-15.813 -48.25,-15.563 v1(-48.25,-15.5)
  Bottom Layer w0.15: v1(-58,12.25) -57.95,12.2 -57.19,12.2 -57.115,12.125 -48.571,12.125 -46.75,10.304 -46.75,-14 v1(-48.25,-15.5)
BAT_MR: R6.1 U2.D1 U5.46 | length 50.9
  Top Layer w0.15: U2.D1@-61.05,13.625 -61.05,14.025 -60.825,14.25 -59.1,14.25 -59.012,14.162 R6.1@-59.012,13.75 ; U5.46@-50.6,-20.3 -48.3,-20.3 -48,-20 v1(-48,-16.25)
  Bottom Layer w0.15: v1(-59,13.75) -58.5,13.75 -57.3,12.55 -57.045,12.55 -56.97,12.475 -48.426,12.475 -46.25,10.299 -46.25,-14.378 v1@-48.061,-16.189
BOOT: J2.02 R17.2 U5.5 | length 27.9
  Top Layer w0.15: v1(-59.538,-20.099) -59.416,-20.099 -59.217,-19.9 U5.5@-58.4,-19.9 U5.5@-58.425,-19.925
  Bottom Layer w0.15: J2.02@-65,-1.77 -66.412,-1.77 -66.5,-1.858 -66.5,-20.011 -66.412,-20.099 -62.993,-20.099 v1(-59.538,-20.099)
CC1: J.A5 R1.1 | length 1.2
  Top Layer w0.2: v1@-52,17.446 -51.75,17.696 J.A5@-51.75,18.5
  Bottom Layer w0.254: R1.1@-52,17.5 R1.1@-51.994,17.506 ; R1.1@-51.938,17.35 v1(-51.9,17.388)
CC2: J.B5 R2.1 | length 1.1
  Top Layer w0.2: v1@-55,17.549 -54.75,17.799 J.B5@-54.75,18.5
  Bottom Layer w0.254: R2.1@-55.006,17.506 R2.1@-55,17.5
  other v1: -55.1,17.4
GND: B1.2 C1.1 C2.1 C3.1 C4.2 C5.2 C6.2 C7.1 C8.1 C9.2 C10.1 C11.1 C12.1 C13.1 C14.1 C15.1 C16.1 C17.1 C18.1 C19.1 C20.1 C21.1 C23.2 C24.1 C25.1 C26.2 FL.2 FL.2_1 H1.2 H2.2 H3.2 H4.2 H5.2 H6.2 H7.2 H8.2 H9.2 H10.2 H11.2 H12.2 H13.2 H14.2 H15.2 H16.2 H17.2 H18.2 H19.2 H20.2 H21.2 H22.2 IC1.2 J1.08 J.A1 J.A12 J.B1 J.B12 J.MID1 J.MID2 J.S1 J.S2 J.S3 J.S4 P1.2 R1.2 R2.2 R6.2 R10.1 R11.1 R13.1 R15.1 R17.1 SW1.1 SW2.1 SW3.1 SW4.1 SW5.1 SW6.1 SW7.1 SW8.1 SW9.1 SW10.1 SW11.1 SW12.1 SW13.1 SW14.1 SW15.1 SW16.1 SW17.1 SW18.1 SW19.1 SW20.1 SW21.1 SW22.1 U1.7 U2.D2 U3.1 U4.2 U5.32 U5.42 U5.69 Y1.2 | length 7.1
  Top Layer w0.15: Y1.2@-49.225,-26.475 Y1.2@-49.175,-26.475 ; v1(-46.9,-37.8) -46.871,-37.83 U4.2@-45.699,-37.83
  Top Layer w0.2: U5.69@-54.1,-21.9 U5.42@-50.6,-21.9 ; U5.32@-52.1,-25.4 U5.69@-52.1,-23.9
  Bottom Layer w0.254: v1(-63,-22) -63,-21.136 R17.1@-62.993,-21.129
  other v1: -70.679,-68.264 -66.679,-68.264 -72.679,-64.264 -68.679,-64.264 -64.679,-64.264 -60.679,-64.264 -70.679,-60.264 -66.679,-60.264 -62.679,-60.264 -58.679,-60.264 -50.679,-60.264 -58.5,-58.5 -64.679,-56.264 -60.679,-56.264 -56.679,-56.264 -52.679,-56.264 -48.679,-56.264 -44.679,-56.264 -40.679,-56.264 -66,-54 -78.679,-52.264 -62.679,-52.264 -54.679,-52.264 -50.679,-52.264 -46.679,-52.264 -42.679,-52.264 -38.679,-52.264 -34.679,-52.264 -30.679,-52.264 -26.679,-52.264 -22.679,-52.264 -18.679,-52.264 -14.679,-52.264 -10.679,-52.264 -6.679,-52.264 -80.25,-48.25 -79,-48.25 -77.75,-48.25 -76.5,-48.25 -75.25,-48.25 -74,-48.25 -44.679,-48.264 -40.679,-48.264 -28.679,-48.264 -24.679,-48.264 -20.679,-48.264 -16.679,-48.264 -12.679,-48.264 -8.679,-48.264 -4.679,-48.264 -0.679,-48.264 -73.25,-47.5 -60.25,-47.25 -49,-47 -73.25,-46.25 -73.25,-45 -39,-45 -70.679,-44.264 -66.679,-44.264 -58.679,-44.264 -26.679,-44.264 -22.679,-44.264 -18.679,-44.264 -6.679,-44.264 -2.679,-44.264 1.321,-44.264 -73.25,-43.75 -73.25,-42.5 -41,-42.5 -45.25,-41.75 -73.25,-41.25 -17.25,-40.5 -48.679,-40.264 -24.679,-40.264 -8.679,-40.264 -4.679,-40.264 -0.679,-40.264 -73.25,-38.5 -73.25,-37.25 -70.679,-36.264 -66.679,-36.264 -62.679,-36.264 -58.679,-36.264 -50.679,-36.264 -26.679,-36.264 -22.679,-36.264 -18.679,-36.264 -14.679,-36.264 -2.679,-36.264 1.321,-36.264 5.321,-36.264 -73.25,-36 -80.25,-35.25 -79,-35.25 -77.75,-35.25 -76.5,-35.25 -75.25,-35.25 -74,-35.25 -36,-35 -63.95,-34.2 -63.05,-34.2 -63.95,-33.2 -63.05,-33.2 -40.679,-32.264 -36.679,-32.264 -32.679,-32.264 -28.679,-32.264 -24.679,-32.264 -20.679,-32.264 -16.679,-32.264 7.321,-32.264 11.321,-32.264 15.321,-32.264 19.321,-32.264 23.321,-32.264 27.321,-32.264 31.321,-32.264 35.321,-32.264 39.321,-32.264 43.321,-32.264 47.321,-32.264 51.321,-32.264 55.321,-32.264 59.321,-32.264 63.321,-32.264 -55.5,-29 -53.2,-29 -62.679,-28.264 -50.679,-28.264 -46.679,-28.264 -38.679,-28.264 -34.679,-28.264 -30.679,-28.264 -26.679,-28.264 -22.679,-28.264 -18.679,-28.264 -14.679,-28.264 -10.679,-28.264 -6.679,-28.264 -2.679,-28.264 1.321,-28.264 5.321,-28.264 9.321,-28.264 13.321,-28.264 17.321,-28.264 21.321,-28.264 25.321,-28.264 61.321,-28.264 25.5,-27.5 28.7,-27 49.4,-26.1 41.1,-26 -50.1,-25.6 -44.679,-24.264 -40.679,-24.264 -4.679,-24.264 -0.679,-24.264 3.321,-24.264 7.321,-24.264 11.321,-24.264 15.321,-24.264 19.321,-24.264 23.321,-24.264 58.75,-24.25 63.321,-24.264 -35,-24 -55.5,-22.5 -54.5,-22.5 -53.5,-22.5 -16,-22 21.75,-21.75 -55.5,-21.5 -54.5,-21.5 -53.5,-21.5 26.9,-21.4 -55.5,-20.5 -54.5,-20.5 -53.5,-20.5 -46.679,-20.264 -42.679,-20.264 -34.679,-20.264 -30.679,-20.264 33.321,-20.264 61.321,-20.264 2,-20.25 7.8,-18.9 -24.679,-16.264 -12.679,-16.264 -4.679,-16.264 -0.679,-16.264 7.321,-16.264 11.321,-16.264 15.321,-16.264 23.321,-16.264 27.321,-16.264 31.321,-16.264 39.321,-16.264 43.321,-16.264 51.321,-16.264 55.321,-16.264 -42.679,-12.264 -34.679,-12.264 -30.679,-12.264 -22.679,-12.264 -18.679,-12.264 -14.679,-12.264 -10.679,-12.264 9.321,-12.264 13.321,-12.264 17.321,-12.264 25.321,-12.264 29.321,-12.264 33.321,-12.264 37.321,-12.264 45.321,-12.264 49.321,-12.264 53.321,-12.264 57.321,-12.264 61.321,-12.264 40.25,-8.5 -60.679,-8.264 -36.679,-8.264 -32.679,-8.264 -28.679,-8.264 -24.679,-8.264 -20.679,-8.264 -12.679,-8.264 -8.679,-8.264 -4.679,-8.264 -0.679,-8.264 3.321,-8.264 7.321,-8.264 11.321,-8.264 15.321,-8.264 19.321,-8.264 23.321,-8.264 47.321,-8.264 30,-7.4 49.6,-6.9 58.75,-5.25 -62.679,-4.264 -34.679,-4.264 -30.679,-4.264 -6.679,-4.264 -2.679,-4.264 1.321,-4.264 5.321,-4.264 29.321,-4.264 33.321,-4.264 37.321,-4.264 45.321,-4.264 49.321,-4.264 53.321,-4.264 63,-3.5 22.4,-3.4 -16.25,-3 10.9,-2.7 -15.75,-2.25 -60.679,-0.264 -52.679,-0.264 -32.679,-0.264 3.321,-0.264 7.321,-0.264 31.321,-0.264 43.321,-0.264 -20.679,-0.2 -16.679,-0.2 -12.679,-0.2 -28.679,-0.183 -24.679,-0.183 11.321,-0.125 15.321,-0.125 23.321,-0.125 27.321,-0.125 -63,2 -62,2 -61,2 -60,2 -59,2 -58,2 -57,2 -56,2 -42.679,3.736 -14.679,3.736 -10.679,3.736 -6.679,3.736 5.321,3.736 9.321,3.736 13.321,3.736 29.321,3.736 33.321,3.736 37.321,3.736 41.321,3.736 45.321,3.736 49.321,3.736 53.321,3.736 57.321,3.736 61.321,3.736 -52.9,4.1 -52,4.1 -56.6,4.8 -65.75,5.75 -56.6,5.8 -51.6,7.2 -55.65,7.5 -52.679,7.736 -32.679,7.736 -28.679,7.736 -24.679,7.736 -20.679,7.736 -12.679,7.736 -8.679,7.736 7.321,7.736 11.321,7.736 15.321,7.736 19.321,7.736 23.321,7.736 27.321,7.736 31.321,7.736 35.321,7.736 39.321,7.736 43.321,7.736 47.321,7.736 51.321,7.736 55.321,7.736 -51.6,8 -65,8.5 -62.8,8.5 -59.7,9.2 -58.5,9.5 -64,10.3 -56.5,10.4 -55.6,10.4 -54.7,10.4 -53.8,10.4 -65.5,11.25 -45.3,11.4 -22.679,11.736 -18.679,11.736 -14.679,11.736 -10.679,11.736 -6.679,11.736 5.321,11.736 9.321,11.736 13.321,11.736 17.321,11.736 25.321,11.736 29.321,11.736 45.321,11.736 49.321,11.736 -44.6,12.1 60,12.75 -46.4,12.9 -34.5,13.25 -53.1,13.6 -48.8,13.7 -46.4,13.8 -30,14 -53.1,14.3 -46.4,14.7 -65.5,14.75 -53.1,15.1 -46.4,15.6 -60.679,15.736 -16.679,15.736 -12.679,15.736 -4.679,15.736 -0.679,15.736 3.321,15.736 7.321,15.736 11.321,15.736 15.321,15.736 27.321,15.736 31.321,15.736 43.321,15.736 47.321,15.736 51.321,15.736 63.321,15.736 21.75,16 -63.9,16.5 -57.8,16.7 -56.9,16.7 -16,16.75 -50,16.9 -49.1,16.9 3.5,18 7.7,19 -62.679,19.736 -42.679,19.736 -30.679,19.736 -22.679,19.736 -18.679,19.736 -14.679,19.736 -10.679,19.736 -6.679,19.736 13.321,19.736 17.321,19.736 21.321,19.736 25.321,19.736 50,20 52,20 54,20 56,20 -60.679,23.736 -44.679,23.736 -32.679,23.736 -28.679,23.736 7.321,23.736 11.321,23.736 15.321,23.736 23.321,23.736 27.321,23.736
  other v2: -56,-61.25 2.5,-38.75 -40,-35 47.5,-16.75 -28.5,-14 9.5,-9.5 -55.5,-1.5 47.5,2.5 -28.5,5.25 9.5,9.5